# Allegro board WDMB-0007B-V02.brd
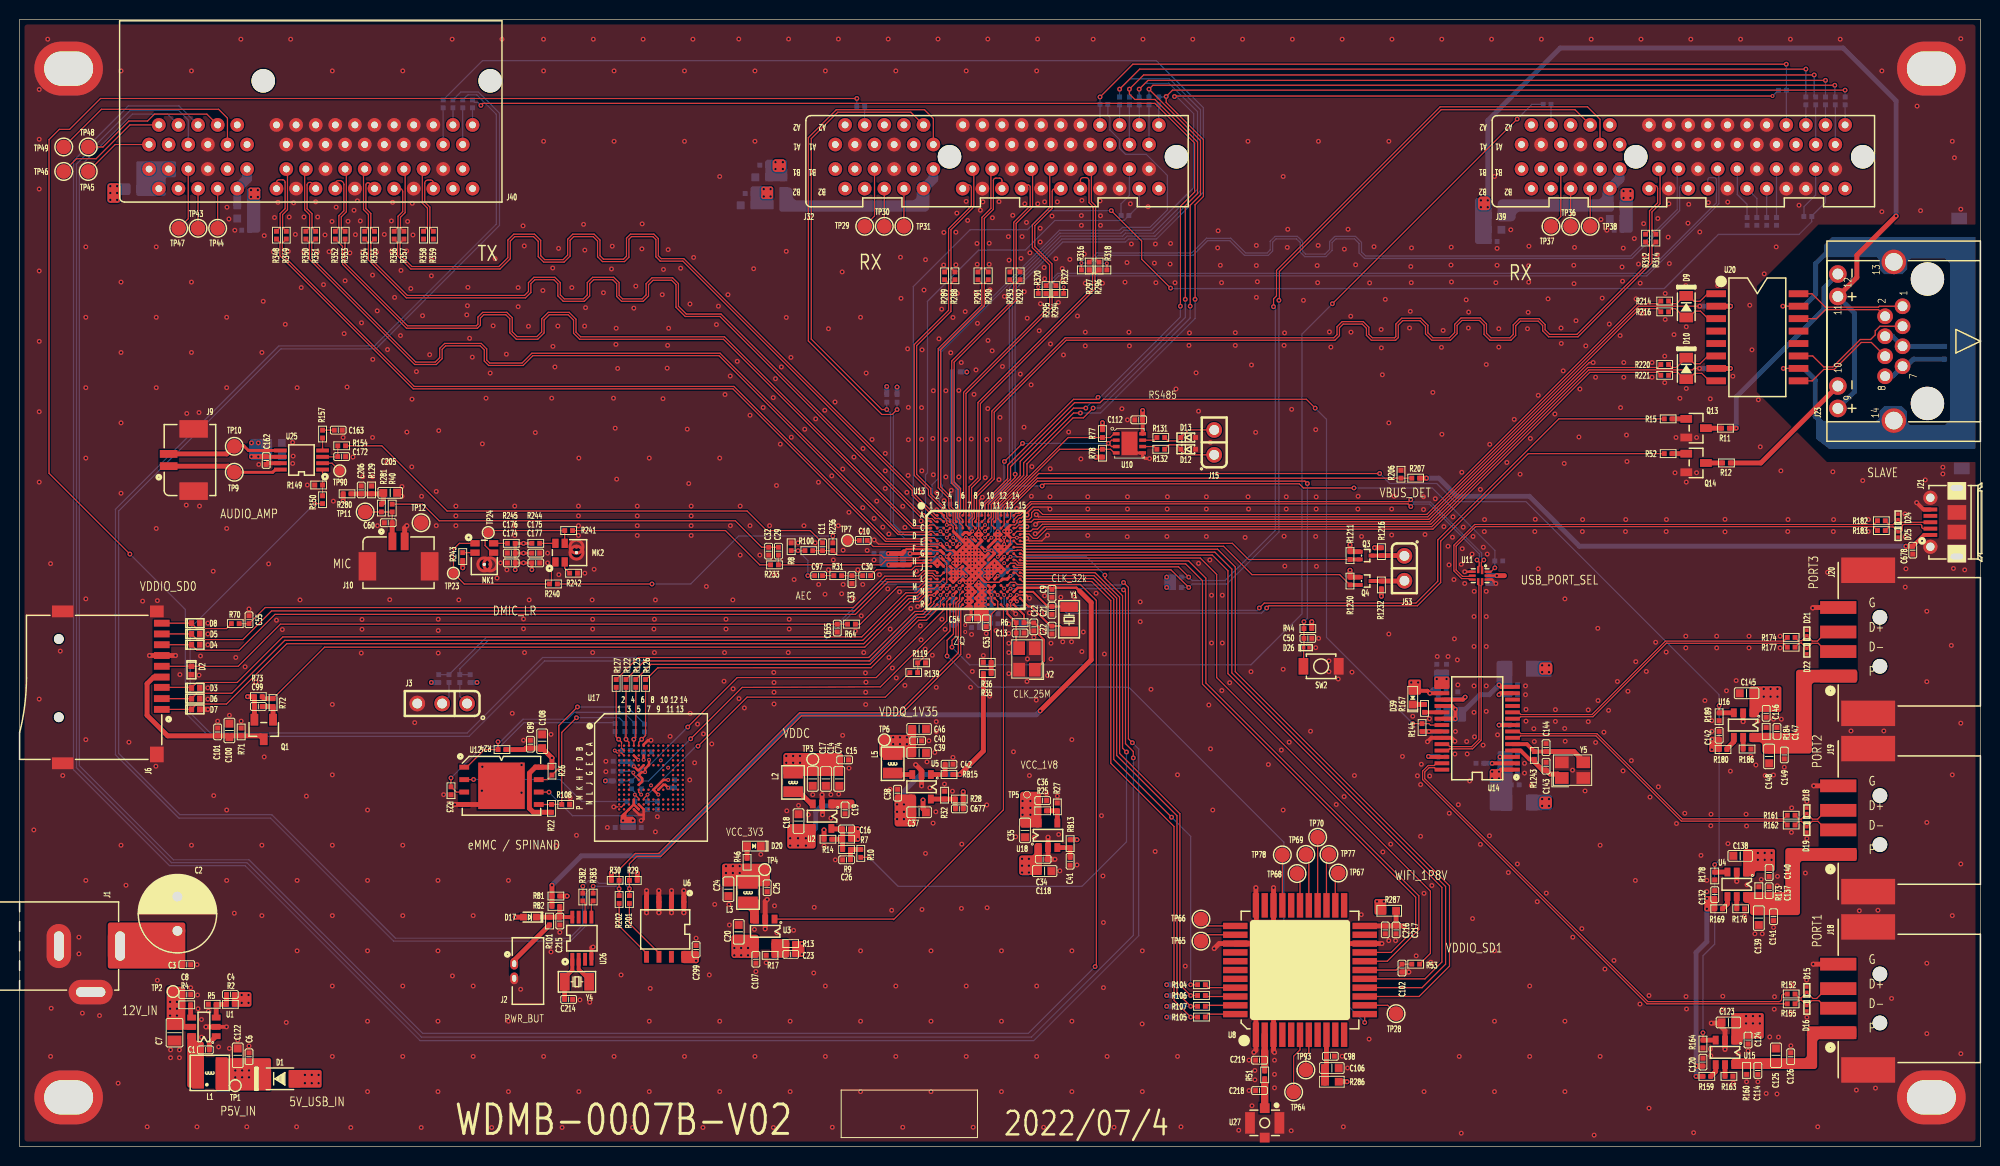
[diagram p0: board, top side]
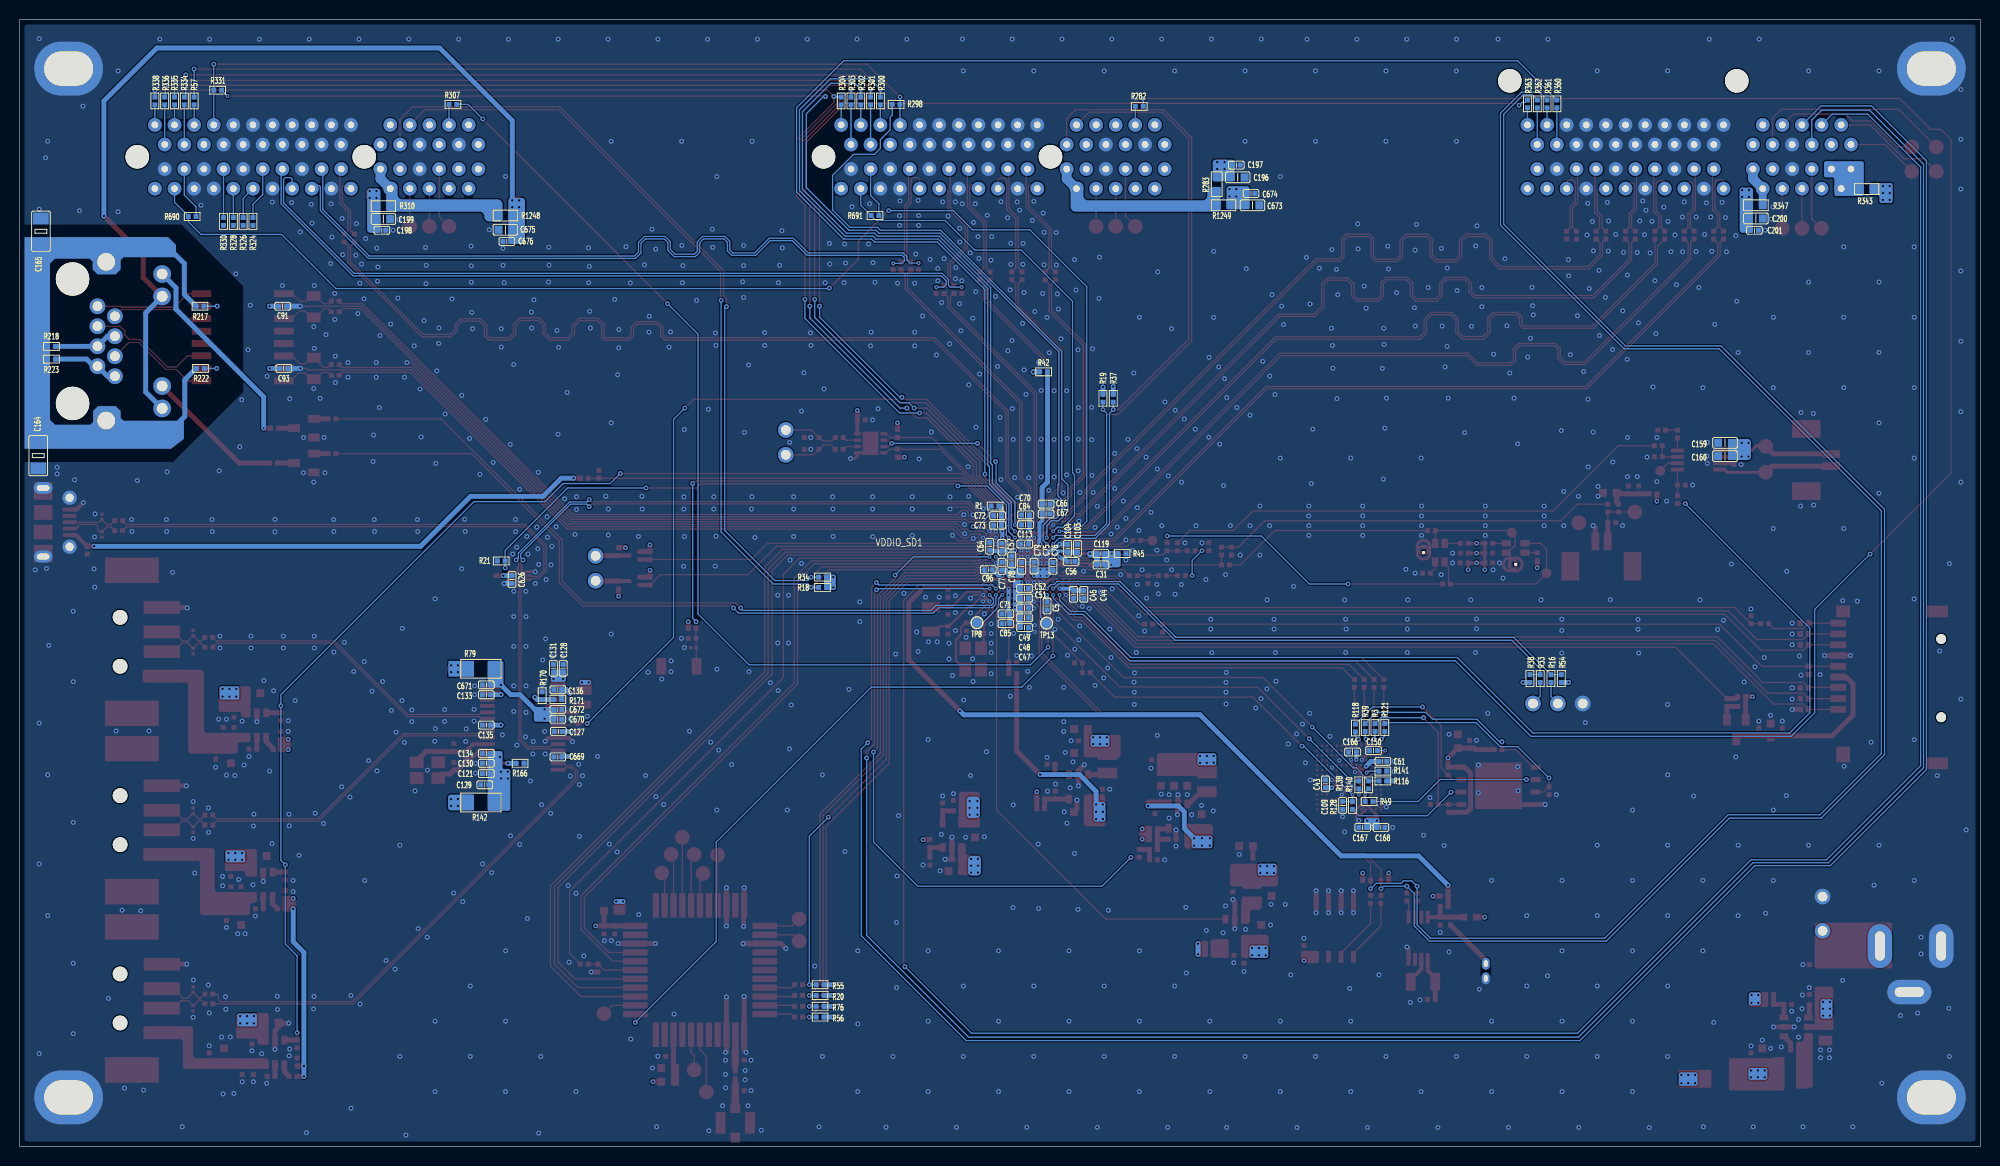
[diagram p1: board, bottom side, seen from below]

Outline 200 x 115 mm; copper layers: TOP, GND, POWER, BOTTOM. Coordinates in mm from the lower left corner of the outline.
Outline path: 0,115 0,0 200,0 200,115 0,115

## Design rules (mm)
net group 50OHM_E: nets N18642102 WIFI_ANT
net group D20: nets HUB_P0_D+ HUB_P0_D-
net group D25: nets USB_DM USB_DP
net group D32: nets N21399188 N21399201
net group D33: nets N21399240 N21399251
net group EPHY_RXN: nets EPHY_RXN N21394933
net group EPHY_RXP: nets EPHY_RXP N21394880
net group EPHY_TXN: nets EPHY_TXN N21394814
net group EPHY_TXP: nets EPHY_TXP N21394692
net group HUB_P1_D+: nets HUB_P1_D+ N21413149
net group HUB_P1_D-: nets HUB_P1_D- N21413150
net group HUB_P2_D+: nets HUB_P2_D+ N21414157
net group HUB_P2_D-: nets HUB_P2_D- N21414158
net group HUB_P3_D+: nets HUB_P3_D+ N21416554
net group HUB_P3_D-: nets HUB_P3_D- N21416553
net group IR_RX1_0N: nets IR_RX1_0N N21399937
net group IR_RX1_0P: nets IR_RX1_0P N21399921
net group IR_RX1_1N: nets IR_RX1_1N N21399863
net group IR_RX1_1P: nets IR_RX1_1P N21399847
net group IR_RX1_2N: nets IR_RX1_2N N21399789
net group IR_RX1_2P: nets IR_RX1_2P N21399773
net group M_P1_D+: nets M_P1_D+ N21393427
net group M_P1_D-: nets M_P1_D- N21393464
net group MIPI_TX_0N: nets MIPI_TX_0N MIPI_TX_M0
net group MIPI_TX_0P: nets MIPI_TX_0P MIPI_TX_P0
net group MIPI_TX_1N: nets MIPI_TX_1N MIPI_TX_M1
net group MIPI_TX_1P: nets MIPI_TX_1P MIPI_TX_P1
net group MIPI_TX_2N: nets MIPI_TX_2N MIPI_TX_M2
net group MIPI_TX_2P: nets MIPI_TX_2P MIPI_TX_P2
net group MIPI_TX_3N: nets MIPI_TX_3N MIPI_TX_M3
net group MIPI_TX_3P: nets MIPI_TX_3P MIPI_TX_P3
net group MIPI_TX_4N: nets MIPI_TX_4N MIPI_TX_M4
net group MIPI_TX_4P: nets MIPI_TX_4P MIPI_TX_P4
net group RGB_RX0_0N: nets N21399043 RGB_RX0_0N
net group RGB_RX0_0P: nets N21399034 RGB_RX0_0P
net group RGB_RX0_1N: nets N21399085 RGB_RX0_1N
net group RGB_RX0_1P: nets N21399076 RGB_RX0_1P
net group RGB_RX0_2N: nets N21399137 RGB_RX0_2N
net group RGB_RX0_2P: nets N21399128 RGB_RX0_2P
net group AUDIO_E: nets AUD_AOUTR AUD_MIC_L IIS1_BCLK N21280589 N22129982
net group EMMC_E: nets D_EMMC__RST_Z D_EMMC_CLK D_EMMC_CMD D_EMMC_D0 D_EMMC_D1 D_EMMC_D2 D_EMMC_D3 EMMC_CLK EMMC_CMD EMMC_D0 EMMC_D1 EMMC_D2 EMMC_D3 EMMC_RST_Z
net group SD_E: nets SD_SD0_CD SD_SD0_CLK SD_SD0_CMD SD_SD0_D0 SD_SD0_D1 SD_SD0_D2 SD_SD0_D3 SDIO_CD_1 SDIO_CLK_1

## Placement (name value [footprint] x y rotation side)
C1  0.1uF_16V  [C0402]  18.95 9.85 180 top
C2  470uF_16V  [EC_Z8D0_3D5]  16.1 23.75 90 top
C3  0.1uF_16V  [C0402]  17.05 18.55 0 top
C4  100pF  [C0402]  21.5 15.5 0 top
C5  0.1uF  [C0402]  95.2 55.15 270 bottom
C6  0.1uF  [C0402]  23.4 9.15 90 top
C7  22uF_16V  [C0805]  15.8 11.6 270 top
C8  0.1uF_16V  [C0402]  17.05 15.5 0 top
C9  0.1uF  [C0402]  105.3 56.45 270 top
C10  2.2uF  [C0402]  86.05 61.85 180 top
C11  2.2uF  [C0402]  81.9 61.2 90 top
C12  12pF  [C0402]  103.45 53.02 270 top
C13  12pF  [C0402]  102.05 52.4 0 top
C14  22uF  [C0603]  82.25 37.5 270 top
C15  0.1uF  [C0402]  84.15 39.45 0 top
C16  100pF  [C0402]  84.35 32.4 0 top
C17  22uF  [C0603]  80.9 37.5 270 top
C18  10uF  [C0603]  79.45 33.2 90 top
C19  0.1uF  [C0402]  84.2 34.35 270 top
C20  10uF_10V  [C0603]  73.35 21.9 90 top
C21  12pF  [C0402]  105.3 54.7 270 top
C22  12pF  [C0402]  105.3 52.7 270 top
C23  100pF  [C0402]  78.65 19.6 0 top
C24  22uF  [C0603]  72.3 26.25 270 top
C25  0.1uF  [C0402]  76.25 26.4 270 top
C26  2.2uF  [C0402]  84.35 29.25 180 top
C29  2.2uF  [C0402]  77.4 60.75 270 top
C30  2.2uF  [C0402]  86.4 58.25 0 top
C31  0.1uF  [C0402]  89.7 59.35 0 bottom
C32  100pF  [C0402]  76.4 60.75 90 top
C33  100pF  [C0402]  84.9 57.85 270 top
C34  0.1uF  [C0402]  104.4 29.3 0 top
C35  10uF  [C0603]  102.55 32.25 270 top
C36  0.1uF  [C0402]  104.35 35.3 0 top
C37  10uF  [C0603]  91.75 34.1 0 top
C38  0.1uF  [C0402]  89.55 36.05 90 top
C39  10uF  [C0603]  91.75 40.15 0 top
C40  0.1uF  [C0402]  91.6 41.4 0 top
C41  1uF  [C0402]  107.15 29.1 270 top
C42  1uF  [C0402]  94.8 39 0 top
C43  NC_2.2uF  [C0402]  66.8 37 90 bottom
C44  4.7uF  [C0402]  91.45 56.35 270 bottom
C45  0.1uF  [C0402]  92.5 56.35 270 bottom
C46  22uF  [C0603]  91.75 42.6 0 top
C47  4.7uF  [C0402]  97.5 52.95 180 bottom
C48  1uF  [C0402]  97.5 53.95 180 bottom
C49  1uF  [C0402]  97.5 54.95 180 bottom
C50  0.1uF  [C0402]  131.4 51.85 0 top
C51  0.1uF  [C0402]  97.5 55.95 180 bottom
C52  0.1uF  [C0402]  97.5 56.95 180 bottom
C53  1uF  [C0402]  98.6 53.45 270 top
C54  1uF  [C0402]  97.2 53.85 180 top
C55  NC/2.2uF  [C0402]  23.4 53.75 90 top
C56  0.1uF  [C0402]  92.75 59.7 180 bottom
C57  0.1uF  [C0402]  99.8 61.15 90 bottom
C60  100pF  [C0402]  37.6 63.65 0 top
C61  NC_0.1uF  [C0402]  60.95 39.3 180 bottom
C64  4.7uF  [C0402]  101.05 61.25 90 bottom
C66  4.7uF  [C0402]  95.3 65.55 180 bottom
C67  0.1uF  [C0402]  95.3 64.55 180 bottom
C70  4.7uF  [C0402]  97.4 64.45 0 bottom
C71  0.1uF  [C0402]  99.4 54.35 0 bottom
C72  4.7uF  [C0402]  100.25 64.38 0 bottom
C73  0.1uF  [C0402]  100.25 63.4 0 bottom
C74  22uF  [C0603]  83.6 37.5 270 top
C75  4.7uF  [C0402]  96.53 59.23 90 bottom
C76  0.1uF  [C0402]  94.6 59.2 90 bottom
C77  1uF  [C0402]  99.8 59.2 90 bottom
C78  1uF  [C0402]  98.8 59.85 90 bottom
C79  1uF  [C0402]  97.8 59.2 90 bottom
C84  0.1uF  [C0402]  97.4 63.45 0 bottom
C85  4.7uF  [C0402]  99.4 53.35 0 bottom
C89  0.1uF  [C0402]  52.1 41.05 90 top
C91  NC_0.1uF  [C0402]  173.18 85.75 180 bottom
C93  NC_0.1uF  [C0402]  173.05 79.4 180 bottom
C96  0.1uF  [C0402]  101.2 58.85 0 bottom
C97  2.2uF  [C0402]  81.5 58.25 0 top
C98  0.1uF  [C0402]  133.7 9.2 0 top
C99  0.1uF  [C0402]  24.35 44.9 0 top
C100  22uF  [C0603]  21.4 42.45 90 top
C101  0.1uF  [C0402]  20.2 42.3 90 top
C102  NC_12pF  [C0402]  141 18.2 270 top
C103  2.2uF  [C0402]  92.1 61.05 90 bottom
C104  0.1uF  [C0402]  93.1 61.05 90 bottom
C106  22uF  [C0603]  133.85 8 0 top
C107  0.1uF  [C0402]  75.1 19.1 270 top
C108  22uF  [C0603]  53.3 41.35 90 top
C109  NC_5.1pF  [C0402]  65.05 34.8 270 bottom
C112  0.1uF  [C0402]  114.15 74.15 0 top
C113  0.1uF  [C0402]  97.47 61.48 180 bottom
C114  0.1uF  [C0402]  177.3 7.75 270 top
C118  10uF  [C0603]  104.55 28.1 0 top
C119  4.7uF  [C0402]  89.7 60.5 0 bottom
C120  0.1uF  [C0402]  171.7 8.6 90 top
C121  2.2uF  [C0402]  152.4 38.05 180 bottom
C122  22uF  [C0603]  22.25 9.3 90 top
C123  10uF_10V  [C0603]  174.3 12.65 180 top
C124  0.1uF  [C0402]  176.3 10.85 270 top
C125  10uF_10V  [C0603]  179.15 9.3 90 top
C126  0.1uF  [C0402]  180.65 9.15 90 top
C127  0.1uF  [C0402]  145.05 42.35 180 bottom
C128  0.1uF  [C0402]  144.55 48.8 270 bottom
C129  0.1uF  [C0402]  152.55 36.9 180 bottom
C130  0.1uF  [C0402]  152.4 39.1 180 bottom
C131  4.7uF  [C0402]  145.55 48.8 90 bottom
C132  0.1uF  [C0402]  172.9 25.7 90 top
C133  0.1uF  [C0402]  152.4 46.1 180 bottom
C134  0.1uF  [C0402]  152.4 40.1 180 bottom
C135  0.1uF  [C0402]  152.4 43 180 bottom
C136  0.1uF  [C0402]  145.1 46.6 180 bottom
C137  0.1uF  [C0402]  178.45 26.1 90 top
C138  10uF_10V  [C0603]  175.5 29.65 180 top
C139  10uF_10V  [C0603]  177.4 23.3 270 top
C140  0.1uF  [C0402]  178.45 27.95 270 top
C141  0.1uF  [C0402]  178.9 23.45 270 top
C142  0.1uF  [C0402]  173.35 41.95 90 top
C143  12pF  [C0402]  155.7 38.8 270 top
C144  12pF  [C0402]  155.7 40.7 90 top
C145  10uF_10V  [C0603]  176.15 46.25 180 top
C146  0.1uF  [C0402]  178.15 44.2 270 top
C147  0.1uF  [C0402]  179.25 42.35 90 top
C148  10uF_10V  [C0603]  178.45 39.8 270 top
C149  0.1uF  [C0402]  180 39.95 270 top
C150  NC_2.2uF  [C0402]  61.9 40.4 180 bottom
C159  10uF_10V  [C0603]  26.05 71.8 0 bottom
C160  10uF_10V  [C0603]  26.05 70.45 0 bottom
C162  0.1uF  [C0402]  25.15 70 270 top
C163  2.2uF  [C0402]  32.5 73.1 180 top
C164  1000pF_2KV  [C1206]  198.1 70.5 90 bottom
C165  1000pF_2KV  [C1206]  197.82 93.4 270 bottom
C166  NC_2.2uF  [C0402]  64.05 40.25 0 bottom
C167  NC_2.2uF  [C0402]  63 32.55 0 bottom
C168  NC_0.1uF  [C0402]  61.15 32.55 180 bottom
C172  100pF  [C0402]  32.85 70.4 180 top
C174  1uF  [C0402]  50.15 59.55 0 top
C175  1uF  [C0402]  52.65 60.55 180 top
C176  0.1uF  [C0402]  50.15 60.55 0 top
C177  0.1uF  [C0402]  52.65 59.55 180 top
C196  10uF_10V  [C0603]  75.75 98.9 180 bottom
C197  0.1uF  [C0402]  75.9 100.15 180 bottom
C198  0.1uF  [C0402]  163.05 93.5 180 bottom
C199  10uF_10V  [C0603]  162.9 94.65 180 bottom
C200  10uF_10V  [C0603]  22.9 94.7 180 bottom
C201  0.1uF  [C0402]  23.05 93.5 180 bottom
C205  22uF  [C0603]  37.8 66.7 180 top
C206  0.1uF  [C0402]  34.85 67 270 top
C214  12pF  [C0402]  56 15 0 top
C215  0.1uF  [C0402]  55.1 23 270 top
C216  4.7uF  [C0402]  139.3 22.1 270 top
C217  0.1uF  [C0402]  140.4 22.1 270 top
C218  NC  [C0402]  126.47 5.7 180 top
C219  NC  [C0402]  126.47 8.8 180 top
C299  NC_0.1uF  [C0402]  69 20.1 90 top
C626  0.1uF  [C0402]  149.78 57.85 270 bottom
C655  NC_12pF  [C0402]  83.4 52.9 90 top
C669  0.1uF  [C0402]  145.1 39.75 180 bottom
C670  0.1uF  [C0402]  145.1 43.6 0 bottom
C671  0.1uF  [C0402]  152.4 47.1 180 bottom
C672  0.1uF  [C0402]  145.1 44.6 0 bottom
C673  22uF  [C0603]  74.25 96.05 180 bottom
C674  0.1uF  [C0402]  74.4 97.25 180 bottom
C675  22uF  [C0603]  150.45 93.55 0 bottom
C676  0.1uF  [C0402]  150.3 92.35 0 bottom
C677  100pF  [C0402]  95.85 34.45 0 top
C678  0.1uF  [C0402]  193.1 60.85 270 top
D1  WSB5510M  [SOD123_2D8X1D8]  26.55 6.9 180 top
D2  ESD5311N  [DFN2_1D0X0D6]  17.52 48.58 270 top
D3  ESD5311N  [DFN2_1D0X0D6]  17.95 46.8 0 top
D4  ESD5311N  [DFN2_1D0X0D6]  17.95 51.2 0 top
D5  ESD5311N  [DFN2_1D0X0D6]  17.95 52.3 0 top
D6  ESD5311N  [DFN2_1D0X0D6]  17.95 45.7 0 top
D7  ESD5311N  [DFN2_1D0X0D6]  17.95 44.6 0 top
D8  ESD5311N  [DFN2_1D0X0D6]  17.95 53.4 0 top
D9  NC/GBLC03C  [SOD323_1D4X1D8]  170 85.7 90 top
D10  NC/GBLC03C  [SOD323_1D4X1D8]  170 79.4 90 top
D12  PESDHC5D7VU  [SOD523_0D9X1D3]  119.2 71.15 180 top
D13  PESDHC5D7VU  [SOD523_0D9X1D3]  119.2 72.35 180 top
D15  ESD5311Z  [DFN2_0D6X0D3]  182.3 16 90 top
D16  ESD5311Z  [DFN2_0D6X0D3]  182.3 14.1 270 top
D17  RB520G-30  [SOD723_0D65X1D1]  52.05 23.4 0 top
D18  ESD5311Z  [DFN2_0D6X0D3]  182.3 34.25 90 top
D19  ESD5311Z  [DFN2_0D6X0D3]  182.3 32.35 270 top
D20  25mA  [LED0603]  74.9 30.65 180 top
D21  ESD5311Z  [DFN2_0D6X0D3]  182.3 52.4 90 top
D22  ESD5311Z  [DFN2_0D6X0D3]  182.3 50.55 270 top
D24  ESD5311Z  [DFN2_0D6X0D3]  191.6 64.25 90 top
D25  ESD5311Z  [DFN2_0D6X0D3]  191.6 62.45 270 top
D26  ESD5311Z  [DFN2_0D6X0D3]  131.25 50.9 0 top
D39  25mA  [LED0603]  142.1 45.8 90 top
H1  H1  [M_3D5X5D0_5D5X7D0]  5 110 0 top
H2  H1  [M_3D5X5D0_5D5X7D0]  195 5 0 top
H3  H1  [M_3D5X5D0_5D5X7D0]  5 5 0 top
H4  H1  [M_3D5X5D0_5D5X7D0]  195 110 0 top
J1  DC-005-2.0  [DCJACK_9D0X13D6]  -3.5 20.45 270 top
J2  ML621/5mAH  [ML2_2D8X6D8_1D5]  50.45 17.9 270 top
J3  Header_M / 3X1 / 2.0mm  [JMP_1X3_2D54]  43.1 45.2 180 top
J6  J-TF-510  [SDCARD_14D5X14D7]  0 47.8 270 top
J9  WB1252B-02R-TAND  [WF2_4D4X7D25_1D25_SMD]  15.2 70.05 90 top
J10  WB1252B-02R-TAND  [WF2_4D4X7D25_1D25_SMD]  38.65 61.75 0 top
J15  Header_M / 2X1 / 2.54mm  [JMP_1X2_2D54]  121.85 71.85 90 top
J18  USB2.0 Standard A FS  [USB_13D1X13D6_2D0_2D5_SMD]  200 15.1 90 top
J19  USB2.0 Standard A FS  [USB_13D1X13D6_2D0_2D5_SMD]  200 33.3 90 top
J20  USB2.0 Standard A FS  [USB_13D1X13D6_2D0_2D5_SMD]  200 51.5 90 top
J21  Micro USB  [MC_USB5P_5D0X7D5_0D65_SMD]  199.75 63.7 90 top
J23  845-56311-188  [RJ45_16D45X15D65_2D04]  200 82.17 90 top
J32  PCIE_X_64_P  [PCIE64_39D0X8D75_2D0_TH]  100 101 180 top
J39  PCIE_X_64_P  [PCIE64_39D0X8D75_2D0_TH]  170 101 180 top
J40  NC/PCIE_X_64_P  [PCIE64_39D0X18D5_2D0_RA]  30 101 180 top
J53  Header_M / 2X1 / 2.54mm  [JMP_1X2_2D54]  141.25 59 270 top
L1  WPN3012H1R5MT_1.5uH_2.5A  [COIL_3D0X3D0]  19.4 7.5 180 top
L2  WPN252012H1R0MT_1uH_4A  [L1008]  78.9 37.15 90 top
L3  WPN252012H2R2MT_2.2uH_2A  [L1008]  74.3 25.9 90 top
L5  WPN252012H1R0MT_1uH_4A  [L1008]  89.05 39.05 90 top
MK1  NC_SPH0644LM4H-1  [MIC_3D5X2D65]  47.4 59.4 0 top
MK2  NC_SPH0644LM4H-1  [MIC_3D5X2D65]  56.8 60.6 90 top
Q1  WPM3407-3/TR  [SOT23_GSD]  24.9 42.55 180 top
Q3  WNM2077  [SOT723_GSD]  137.3 60.3 270 top
Q4  WNM2077  [SOT723_GSD]  137.3 57.7 270 top
Q13  S9013  [SOT23_BEC]  171 73.3 270 top
Q14  S9013  [SOT23_BEC]  171 69.75 270 top
R1  NC_4.7K  [R0402]  100.5 65.35 0 bottom
R2  100K_1%  [R0402]  21.5 14.5 180 top
R3  0R  [R0402]  61.75 42.75 270 bottom
R4  100K  [R0402]  17.05 14.45 180 top
R5  13K_1%  [R0402]  19.65 14.5 180 top
R6  1M  [R0402]  102.05 53.45 0 top
R7  10K_1%  [R0402]  84.35 31.35 180 top
R8  2.7K  [R0402]  78.7 61.2 270 top
R9  40.2K_1%  [R0402]  84.35 30.3 180 top
R10  1K  [R0402]  85.8 29.9 90 top
R11  1K  [R0402]  174 73.3 180 top
R12  1K  [R0402]  174.1 69.75 180 top
R13  100K_1%  [R0402]  78.65 20.7 180 top
R14  20K_1%  [R0402]  82.45 31.35 180 top
R15  1K  [R0402]  168.15 74.25 180 top
R16  100R  [R0402]  43.8 47.75 90 bottom
R17  22.6K_1%  [R0402]  76.55 19.5 180 top
R18  2.7K  [R0402]  118.1 57.05 0 bottom
R19  2.7K  [R0402]  89.5 76.35 270 bottom
R20  4.7K  [R0402]  118.35 15.4 0 bottom
R21  1K  [R0402]  150.88 59.75 180 bottom
R22  NC_4.7K  [R0402]  54.25 34.5 90 top
R23  4.7K  [R0402]  44 36.3 270 top
R24  4.7K  [R0402]  49.2 40.5 180 top
R25  22.6K_1%  [R0402]  104.35 34.25 180 top
R26  4.7K  [R0402]  54.3 38.3 270 top
R27  18K_1%  [R0402]  105.85 34.65 270 top
R28  15K_1%  [R0402]  95.85 35.45 0 top
R29  2.7K  [R0402]  62.6 27.15 180 top
R30  2.7K  [R0402]  60.75 27.15 0 top
R31  10K  [R0402]  83.45 58.25 0 top
R32  12K_1%  [R0402]  94.35 35.85 270 top
R33  100R  [R0402]  44.9 47.75 90 bottom
R34  2.7K  [R0402]  118.1 58.1 0 bottom
R35  30K/1%  [R0402]  98.7 48.25 180 top
R36  10K/1%  [R0402]  98.7 49.4 0 top
R37  2.7K  [R0402]  88.45 76.35 270 bottom
R38  4.7K  [R0402]  45.95 47.75 90 bottom
R39  0R  [R0402]  62.75 42.75 270 bottom
R40  22R  [R0402]  38 65.15 90 top
R42  0R  [R0402]  95.55 79.05 0 bottom
R44  4.7K  [R0402]  131.4 52.85 180 top
R45  0R  [R0402]  87.55 60.5 0 bottom
R46  1K  [R0402]  74.2 29 90 top
R49  0R  [R0402]  62.35 35.2 0 bottom
R51  0R  [R0402]  127 7.3 270 top
R52  1K  [R0402]  168.15 70.7 180 top
R53  33R  [R0402]  142.4 18.6 0 top
R54  4.7K  [R0402]  42.75 47.75 90 bottom
R55  4.7K  [R0402]  118.35 16.5 0 bottom
R56  4.7K  [R0402]  118.35 13.2 0 bottom
R57  0R  [R0402]  182.2 106.7 270 bottom
R64  33R  [R0402]  84.85 53.3 0 top
R70  100R  [R0402]  22 53.35 0 top
R71  10K  [R0402]  22.6 42.3 270 top
R72  47K  [R0402]  25.85 45.3 270 top
R73  33K  [R0402]  24.35 45.9 0 top
R76  4.7K  [R0402]  118.35 14.3 0 bottom
R77  4.7K  [R0402]  110.45 72.75 270 top
R78  4.7K  [R0402]  110.45 70.75 90 top
R79  NC/0R  [R1206]  152.95 48.75 0 bottom
R81  NC/0R  [R0402]  54.7 25.55 0 top
R82  240K  [R0402]  54.7 24.5 0 top
R100  10K  [R0402]  80.5 60.8 180 top
R101  3K  [R0402]  54.05 23 90 top
R104  NC_33R  [R0402]  120.55 16.5 180 top
R105  NC_33R  [R0402]  120.55 13.2 180 top
R106  NC_33R  [R0402]  120.55 15.4 180 top
R107  NC_33R  [R0402]  120.55 14.3 180 top
R108  4.7K  [R0402]  55.7 34.9 0 top
R116  NC_10K  [R0402]  60.95 37.3 0 bottom
R118  0R  [R0402]  63.75 42.7 270 bottom
R119  NC_4.7K  [R0402]  92 49.35 0 top
R121  0R  [R0402]  60.75 42.75 270 bottom
R122  0R  [R0402]  61.85 47.25 90 top
R123  0R  [R0402]  62.85 47.25 90 top
R126  0R  [R0402]  63.85 47.25 90 top
R127  0R  [R0402]  60.85 47.25 90 top
R128  0R  [R0402]  64.05 34.8 90 bottom
R129  1K  [R0402]  35.9 67 270 top
R131  10R  [R0402]  116.4 72.35 180 top
R132  10R  [R0402]  116.4 71.15 0 top
R138  0R  [R0402]  63.4 36.9 90 bottom
R139  33R  [R0402]  91.2 48.35 0 top
R140  0R  [R0402]  62.4 36.9 90 bottom
R141  10K  [R0402]  60.95 38.3 180 bottom
R142  NC/0R  [R1206]  152.95 35.1 0 bottom
R144  1K  [R0402]  143.05 42.75 270 top
R149  10K  [R0402]  30.5 67.5 180 top
R150  1K  [R0402]  30.9 66 90 top
R152  5R1  [R0402]  180.7 15.55 180 top
R154  47K  [R0402]  32.85 71.5 180 top
R155  5R1  [R0402]  180.7 14.55 180 top
R157  47K  [R0402]  30.9 72.7 90 top
R159  91K  [R0402]  172.1 7.15 180 top
R160  10K  [R0402]  176.15 7.75 90 top
R161  5R1  [R0402]  180.7 33.8 180 top
R162  5R1  [R0402]  180.7 32.8 180 top
R163  20K  [R0402]  174.35 7.15 180 top
R164  1K  [R0402]  171.7 10.45 90 top
R166  680R/1%  [R0402]  148.95 39.1 0 bottom
R167  4.7K  [R0402]  143.3 44.7 90 top
R169  91K  [R0402]  173.3 24.25 180 top
R170  NC/0R  [R0402]  146.7 46 90 bottom
R171  0R  [R0402]  145.1 45.6 180 bottom
R173  10K  [R0402]  177.4 26.1 270 top
R174  5R1  [R0402]  180.7 51.95 180 top
R176  20K  [R0402]  175.55 24.25 180 top
R177  5R1  [R0402]  180.7 50.95 180 top
R178  1K  [R0402]  172.9 27.6 90 top
R180  91K  [R0402]  173.75 40.5 180 top
R182  5R1  [R0402]  189.9 63.85 180 top
R183  5R1  [R0402]  189.9 62.85 180 top
R184  10K  [R0402]  178.15 42.35 270 top
R186  20K  [R0402]  176.2 40.55 180 top
R189  4.7K  [R0402]  173.35 43.85 90 top
R201  NC_33R  [R0402]  62.2 25.2 270 top
R202  NC_33R  [R0402]  61.15 25.2 270 top
R206  12K  [R0402]  140.9 68.6 270 top
R207  22K  [R0402]  142.4 68.2 180 top
R214  5R1  [R0402]  167.8 86.28 180 top
R216  5R1  [R0402]  167.8 85.17 180 top
R217  75R_1%  [R0402]  181.6 85.75 180 bottom
R218  75R_1%  [R0402]  196.75 81.65 0 bottom
R220  5R1  [R0402]  167.8 79.8 180 top
R221  5R1  [R0402]  167.8 78.7 180 top
R222  75R_1%  [R0402]  181.55 79.4 180 bottom
R223  75R_1%  [R0402]  196.75 80.35 0 bottom
R233  0R  [R0402]  77 59.35 0 top
R236  0R  [R0402]  82.95 61.2 270 top
R240  0R  [R0402]  54.45 57.4 0 top
R241  0R  [R0402]  56 62.85 0 top
R242  0R  [R0402]  56.5 58.5 0 top
R243  0R  [R0402]  45.2 60.2 270 top
R244  0R  [R0402]  52.65 61.55 180 top
R245  0R  [R0402]  50.15 61.55 0 top
R280  470R  [R0402]  33.4 66.6 180 top
R281  2.2K  [R0402]  36.9 65.15 270 top
R282  0R  [R0402]  85.8 106.15 0 bottom
R283  NC/0R  [R0603]  77.9 98.2 90 bottom
R286  0R  [R0603]  133.85 6.6 180 top
R287  0R  [R0603]  139.7 24.05 0 top
R288  0R  [R0402]  95.4 88.85 270 top
R289  0R  [R0402]  94.35 88.85 270 top
R290  0R  [R0402]  98.8 88.85 270 top
R291  0R  [R0402]  97.75 88.85 270 top
R292  0R  [R0402]  102.05 88.85 270 top
R293  0R  [R0402]  101 88.85 270 top
R294  0R  [R0402]  105.7 87.45 270 top
R295  0R  [R0402]  104.7 87.45 270 top
R296  0R  [R0402]  110.1 89.85 270 top
R297  0R  [R0402]  109.1 89.85 270 top
R298  0R  [R0402]  110.6 106.35 0 bottom
R300  0R  [R0402]  112.2 106.7 270 bottom
R301  0R  [R0402]  113.2 106.7 270 bottom
R302  0R  [R0402]  114.2 106.7 270 bottom
R303  0R  [R0402]  115.2 106.7 90 bottom
R304  0R  [R0402]  116.2 106.7 90 bottom
R307  0R  [R0402]  155.8 106.35 0 bottom
R310  NC/0R  [R0603]  162.9 95.95 0 bottom
R312  NC/0R  [R0402]  165.85 92.7 270 top
R314  NC/0R  [R0402]  166.9 92.7 270 top
R316  NC/0R  [R0402]  108.7 89.45 0 top
R318  NC/0R  [R0402]  110.5 89.45 180 top
R320  NC/0R  [R0402]  104.3 87.05 0 top
R322  NC/0R  [R0402]  106.1 87.05 180 top
R324  NC/0R  [R0402]  176.2 94.4 270 bottom
R326  NC/0R  [R0402]  177.2 94.4 270 bottom
R328  NC/0R  [R0402]  178.2 94.4 270 bottom
R330  NC/0R  [R0402]  179.2 94.4 270 bottom
R331  0R  [R0402]  179.8 107.8 180 bottom
R334  0R  [R0402]  183.2 106.7 270 bottom
R335  0R  [R0402]  184.2 106.7 270 bottom
R336  0R  [R0402]  185.2 106.7 90 bottom
R338  0R  [R0402]  186.2 106.7 90 bottom
R343  0R  [R0603]  11.6 97.7 0 bottom
R347  0R  [R0603]  22.9 96.05 180 bottom
R348  0R  [R0402]  26.2 93 90 top
R349  0R  [R0402]  27.2 93 90 top
R350  0R  [R0402]  29.2 93 90 top
R351  0R  [R0402]  30.2 93 90 top
R352  0R  [R0402]  32.2 93 90 top
R353  0R  [R0402]  33.2 93 90 top
R354  0R  [R0402]  35.2 93 90 top
R355  0R  [R0402]  36.2 93 90 top
R356  0R  [R0402]  38.2 93 90 top
R357  0R  [R0402]  39.2 93 90 top
R358  0R  [R0402]  41.2 93 90 top
R359  0R  [R0402]  42.2 93 90 top
R360  0R  [R0402]  43.2 106.4 90 bottom
R361  0R  [R0402]  44.2 106.4 90 bottom
R362  0R  [R0402]  45.2 106.4 90 bottom
R363  0R  [R0402]  46.2 106.4 90 bottom
R382  22R  [R0402]  57.45 25.45 270 top
R383  22R  [R0402]  58.5 25.45 270 top
R690  0R  [R0402]  182.4 94.9 180 bottom
R691  0R  [R0402]  112.75 95 180 bottom
R1211  4.7K  [R0402]  135.7 60.3 90 top
R1216  4.7K  [R0402]  138.9 60.7 90 top
R1230  4.7K  [R0402]  135.7 57.7 90 top
R1232  4.7K  [R0402]  138.9 57.3 270 top
R1243  1M  [R0402]  154.5 39.9 90 top
R1248  0R  [R0603]  150.45 95 180 bottom
R1249  0R  [R0603]  77.2 96.05 180 bottom
RB13  22K  [R0402]  107.15 30.9 90 top
RB15  22K  [R0402]  94.8 37.95 0 top
SW2  SW PUSHBUTTON  [SW2_2D5X3D0_SMD]  132.75 49 0 top
TP1  test_pin  [TP1D0]  22 6.2 0 top
TP2  test_pin  [TP1D0]  15.65 15.8 180 top
TP3  test_pin  [TP1D0]  80.9 39.5 270 top
TP4  test_pin  [TP1D0]  76 28.25 270 top
TP5  test_pin  [TP0D5]  102.75 35.9 0 top
TP6  test_pin  [TP1D0]  88.2 41.5 270 top
TP7  test_pin  [TP1D0]  84.45 61.85 0 top
TP8  test_pin  [TP1D0]  102.35 53.45 90 bottom
TP9  SPK+  [TP1D5]  21.9 68.8 270 top
TP10  SPK-  [TP1D5]  21.9 71.45 270 top
TP11  MIC+  [TP1D5]  35.25 64.75 180 top
TP12  MIC-  [TP1D5]  40.95 63.65 180 top
TP13  test_pin  [TP1D0]  95.25 53.4 180 bottom